# Altium PCB Motherboard_PCB_Trimmed.PcbDoc (part 4 of 5)
Units mm, origin at the board's own origin, x right, y up, seen from the top; angles counter-clockwise.
Board outline 167.96 x 167.95 mm, 6 copper layers (Top, VCC, VS, Internal, GND, Bottom), stack 1.797 mm thick; 578 components, 549 nets, 2587 pads, 1599 vias.
Unrouted connection lines stored in the file: 2.
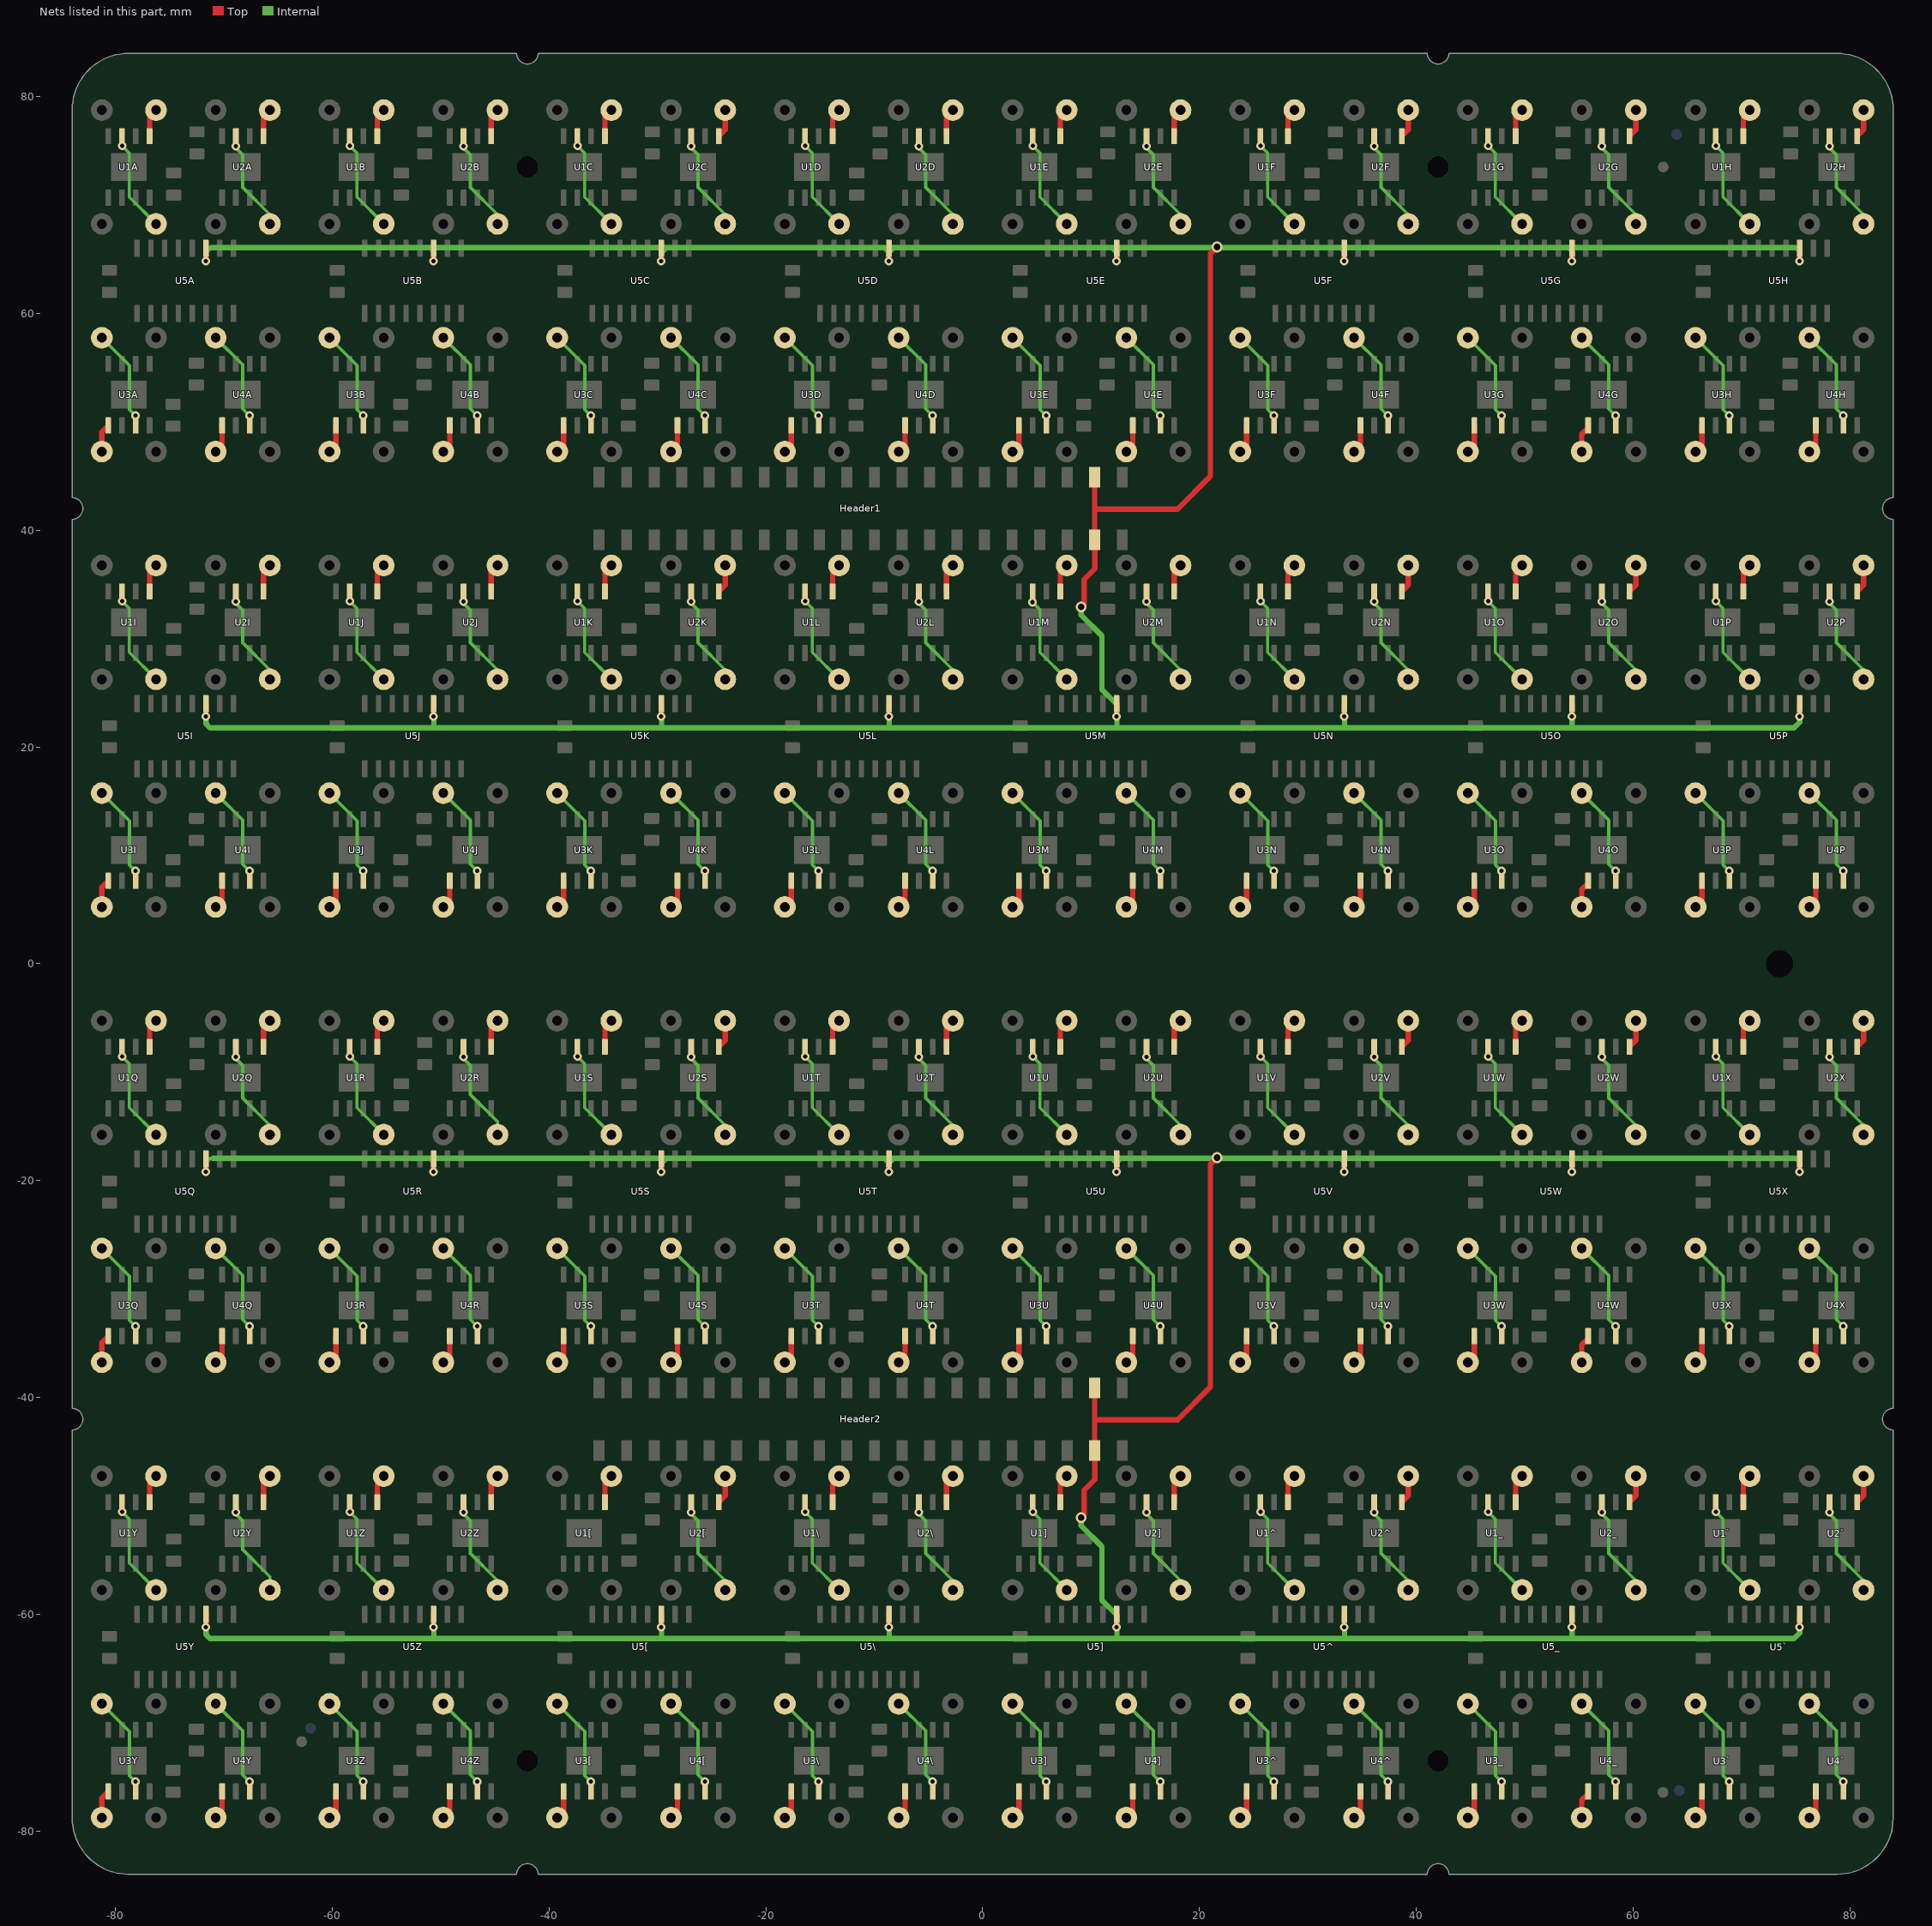
[diagram p8: the nets of this part, all layers, seen from the top]

## Via types
v1: diameter 0.8, hole 0.4, Top to Bottom, tented both sides, 1061 vias
v2: diameter 0.8, hole 0.4, Top to Bottom, 512 vias
v3: diameter 1.4, hole 0.8, Top to Bottom, tented both sides, 10 vias
v4: diameter 1.2, hole 0.8, Top to Bottom, tented both sides, 10 vias
v5: diameter 1, hole 0.6, Top to Bottom, tented both sides, 6 vias

## Nets (pads, with @x,y where several pads share a name; then routed paths per layer and width w, separated by ;. In a path a pad name is that pad's centre, name@x,y a point inside that pad or via, vN(x,y) a via of type N, cw(c..) or ccw(c..) an arc to the next point about the centre after c; other vN are vias at no path point) (continued)
OUTA_1\: 3\.+ U1\.7 | length 9.4
  Top w0.3: v1(-16.385,-50.546) U1\.7@-16.385,-49.655
  Internal w0.3: v1(-16.385,-50.546) -15.725,-51.206 -15.725,-55.275 3\.+@-13.25,-57.75
OUTA_1]: 3].+ U1].7 | length 9.4
  Top w0.3: v1(4.615,-50.546) U1].7@4.615,-49.655
  Internal w0.3: v1(4.615,-50.546) 5.275,-51.206 5.275,-55.275 3].+@7.75,-57.75
OUTA_1^: 3#.+ U1^.7 | length 9.4
  Top w0.3: v1(25.615,-50.546) U1^.7@25.615,-49.655
  Internal w0.3: v1(25.615,-50.546) 26.275,-51.206 26.275,-55.275 3#.+@28.75,-57.75
OUTA_1_: 3_.+ U1_.7 | length 9.4
  Top w0.3: v1@46.615,-50.546 U1_.7@46.615,-49.655
  Internal w0.3: v1(46.615,-50.546) 47.275,-51.206 47.275,-55.275 3_.+@49.75,-57.75
OUTA_1`: 3-.+ U1`.7 | length 9.4
  Top w0.3: v1(67.615,-50.546) U1`.7@67.615,-49.655
  Internal w0.3: v1(67.615,-50.546) 68.275,-51.206 68.275,-55.275 3-.+@70.75,-57.75
OUTA_1A: 3A.+ U1A.7 | length 9.4
  Top w0.3: v1@-79.385,75.454 U1A.7@-79.385,76.345
  Internal w0.3: v1(-79.385,75.454) -78.725,74.794 -78.725,70.725 3A.+@-76.25,68.25
OUTA_1B: 3B.+ U1B.7 | length 9.4
  Top w0.3: v1@-58.385,75.454 U1B.7@-58.385,76.345
  Internal w0.3: v1(-58.385,75.454) -57.725,74.794 -57.725,70.725 3B.+@-55.25,68.25
OUTA_1C: 3C.+ U1C.7 | length 9.4
  Top w0.3: v1@-37.385,75.454 U1C.7@-37.385,76.345
  Internal w0.3: v1(-37.385,75.454) -36.725,74.794 -36.725,70.725 3C.+@-34.25,68.25
OUTA_1D: 3D.+ U1D.7 | length 9.4
  Top w0.3: v1@-16.385,75.454 U1D.7@-16.385,76.345
  Internal w0.3: v1(-16.385,75.454) -15.725,74.794 -15.725,70.725 3D.+@-13.25,68.25
OUTA_1E: 3E.+ U1E.7 | length 9.4
  Top w0.3: v1@4.615,75.454 U1E.7@4.615,76.345
  Internal w0.3: v1(4.615,75.454) 5.275,74.794 5.275,70.725 3E.+@7.75,68.25
OUTA_1F: 3F.+ U1F.7 | length 9.4
  Top w0.3: v1@25.615,75.454 U1F.7@25.615,76.345
  Internal w0.3: v1(25.615,75.454) 26.275,74.794 26.275,70.725 3F.+@28.75,68.25
OUTA_1G: 3G.+ U1G.7 | length 9.4
  Top w0.3: v1@46.615,75.454 U1G.7@46.615,76.345
  Internal w0.3: v1(46.615,75.454) 47.275,74.794 47.275,70.725 3G.+@49.75,68.25
OUTA_1H: 3H.+ U1H.7 | length 9.4
  Top w0.3: v1@67.615,75.454 U1H.7@67.615,76.345
  Internal w0.3: v1(67.615,75.454) 68.275,74.794 68.275,70.725 3H.+@70.75,68.25
OUTA_1I: 3I.+ U1I.7 | length 9.4
  Top w0.3: v1(-79.385,33.454) U1I.7@-79.385,34.345
  Internal w0.3: v1(-79.385,33.454) -78.725,32.794 -78.725,28.725 3I.+@-76.25,26.25
OUTA_1J: 3J.+ U1J.7 | length 9.4
  Top w0.3: v1(-58.385,33.454) U1J.7@-58.385,34.345
  Internal w0.3: v1(-58.385,33.454) -57.725,32.794 -57.725,28.725 3J.+@-55.25,26.25
OUTA_1K: 3K.+ U1K.7 | length 9.4
  Top w0.3: v1(-37.385,33.454) U1K.7@-37.385,34.345
  Internal w0.3: v1(-37.385,33.454) -36.725,32.794 -36.725,28.725 3K.+@-34.25,26.25
OUTA_1L: 3L.+ U1L.7 | length 9.4
  Top w0.3: v1(-16.385,33.454) U1L.7@-16.385,34.345
  Internal w0.3: v1(-16.385,33.454) -15.725,32.794 -15.725,28.725 3L.+@-13.25,26.25
OUTA_1M: 3M.+ U1M.7 | length 9.5
  Top w0.3: v1@4.615,33.454 4.575,33.414 v1(4.575,33.358) 4.595,33.378 4.595,34.325 U1M.7@4.615,34.345
  Internal w0.3: v1(4.575,33.358) 5.275,32.658 5.275,28.725 3M.+@7.75,26.25
OUTA_1N: 3N.+ U1N.7 | length 9.4
  Top w0.3: v1(25.615,33.454) U1N.7@25.615,34.345
  Internal w0.3: v1(25.615,33.454) 26.275,32.794 26.275,28.725 3N.+@28.75,26.25
OUTA_1O: 3O.+ U1O.7 | length 9.4
  Top w0.3: v1@46.615,33.454 U1O.7@46.615,34.345
  Internal w0.3: v1(46.615,33.454) 47.275,32.794 47.275,28.725 3O.+@49.75,26.25
OUTA_1P: 3P.+ U1P.7 | length 9.4
  Top w0.3: v1(67.615,33.454) U1P.7@67.615,34.345
  Internal w0.3: v1(67.615,33.454) 68.275,32.794 68.275,28.725 3P.+@70.75,26.25
OUTA_1Q: 3Q.+ U1Q.7 | length 9.4
  Top w0.3: v1(-79.385,-8.546) U1Q.7@-79.385,-7.655
  Internal w0.3: v1(-79.385,-8.546) -78.725,-9.206 -78.725,-13.275 3Q.+@-76.25,-15.75
OUTA_1R: 3R.+ U1R.7 | length 9.4
  Top w0.3: v1(-58.385,-8.546) U1R.7@-58.385,-7.655
  Internal w0.3: v1(-58.385,-8.546) -57.725,-9.206 -57.725,-13.275 3R.+@-55.25,-15.75
OUTA_1S: 3S.+ U1S.7 | length 9.4
  Top w0.3: v1(-37.385,-8.546) U1S.7@-37.385,-7.655
  Internal w0.3: v1(-37.385,-8.546) -36.725,-9.206 -36.725,-13.275 3S.+@-34.25,-15.75
OUTA_1T: 3T.+ U1T.7 | length 9.4
  Top w0.3: v1(-16.385,-8.546) U1T.7@-16.385,-7.655
  Internal w0.3: v1(-16.385,-8.546) -15.725,-9.206 -15.725,-13.275 3T.+@-13.25,-15.75
OUTA_1U: 3U.+ U1U.7 | length 9.4
  Top w0.3: v1(4.615,-8.546) U1U.7@4.615,-7.655
  Internal w0.3: v1(4.615,-8.546) 5.275,-9.206 5.275,-13.275 3U.+@7.75,-15.75
OUTA_1V: 3V.+ U1V.7 | length 9.4
  Top w0.3: v1(25.615,-8.546) U1V.7@25.615,-7.655
  Internal w0.3: v1(25.615,-8.546) 26.275,-9.206 26.275,-13.275 3V.+@28.75,-15.75
OUTA_1W: 3W.+ U1W.7 | length 9.4
  Top w0.3: v1@46.615,-8.546 U1W.7@46.615,-7.655
  Internal w0.3: v1(46.615,-8.546) 47.275,-9.206 47.275,-13.275 3W.+@49.75,-15.75
OUTA_1X: 3X.+ U1X.7 | length 9.4
  Top w0.3: v1(67.615,-8.546) U1X.7@67.615,-7.655
  Internal w0.3: v1(67.615,-8.546) 68.275,-9.206 68.275,-13.275 3X.+@70.75,-15.75
OUTA_1Y: 3Y.+ U1Y.7 | length 9.4
  Top w0.3: v1(-79.385,-50.546) U1Y.7@-79.385,-49.655
  Internal w0.3: v1(-79.385,-50.546) -78.725,-51.206 -78.725,-55.275 3Y.+@-76.25,-57.75
OUTA_1Z: 3Z.+ U1Z.7 | length 9.4
  Top w0.3: v1(-58.385,-50.546) U1Z.7@-58.385,-49.655
  Internal w0.3: v1(-58.385,-50.546) -57.725,-51.206 -57.725,-55.275 3Z.+@-55.25,-57.75
OUTA_2[: 4[.+ U2[.7 | length 9.4
  Top w0.3: v1(-26.895,-50.597) -26.895,-49.665 U2[.7@-26.885,-49.655
  Internal w0.3: v1(-26.895,-50.597) -26.895,-50.749 -26.26,-51.384 -26.26,-54.381 -23.75,-56.891 4[.+@-23.75,-57.75
OUTA_2\: 4\.+ U2\.7 | length 9.4
  Top w0.3: v1(-5.895,-50.597) -5.895,-49.665 U2\.7@-5.885,-49.655
  Internal w0.3: v1(-5.895,-50.597) -5.895,-50.749 -5.26,-51.384 -5.26,-54.381 -2.75,-56.891 4\.+@-2.75,-57.75
OUTA_2]: 4].+ U2].7 | length 9.4
  Top w0.3: v1(15.105,-50.597) 15.105,-49.665 U2].7@15.115,-49.655
  Internal w0.3: v1(15.105,-50.597) 15.105,-50.749 15.74,-51.384 15.74,-54.381 18.25,-56.891 4].+@18.25,-57.75
OUTA_2^: 4#.+ U2^.7 | length 9.4
  Top w0.3: v1(36.105,-50.597) 36.105,-49.665 U2^.7@36.115,-49.655
  Internal w0.3: v1(36.105,-50.597) 36.105,-50.749 36.74,-51.384 36.74,-54.381 39.25,-56.891 4#.+@39.25,-57.75
OUTA_2_: 4_.+ U2_.7 | length 9.4
  Top w0.3: v1(57.105,-50.597) 57.105,-49.665 U2_.7@57.115,-49.655
  Internal w0.3: v1(57.105,-50.597) 57.105,-50.749 57.74,-51.384 57.74,-54.381 60.25,-56.891 4_.+@60.25,-57.75
OUTA_2`: 4-.+ U2`.7 | length 9.4
  Top w0.3: v1(78.105,-50.597) 78.105,-49.665 U2`.7@78.115,-49.655
  Internal w0.3: v1(78.105,-50.597) 78.105,-50.749 78.74,-51.384 78.74,-54.381 81.25,-56.891 4-.+@81.25,-57.75
OUTA_2A: 4A.+ U2A.7 | length 9.4
  Top w0.3: v1(-68.895,75.403) -68.895,76.335 U2A.7@-68.885,76.345
  Internal w0.3: v1(-68.895,75.403) -68.895,75.251 -68.26,74.616 -68.26,71.619 -65.75,69.109 4A.+@-65.75,68.25
OUTA_2B: 4B.+ U2B.7 | length 9.4
  Top w0.3: v1(-47.895,75.403) -47.895,76.335 U2B.7@-47.885,76.345
  Internal w0.3: v1(-47.895,75.403) -47.895,75.251 -47.26,74.616 -47.26,71.619 -44.75,69.109 4B.+@-44.75,68.25
OUTA_2C: 4C.+ U2C.7 | length 9.4
  Top w0.3: v1(-26.895,75.403) -26.895,76.335 U2C.7@-26.885,76.345
  Internal w0.3: v1(-26.895,75.403) -26.895,75.251 -26.26,74.616 -26.26,71.619 -23.75,69.109 4C.+@-23.75,68.25
OUTA_2D: 4D.+ U2D.7 | length 9.4
  Top w0.3: v1(-5.895,75.403) -5.895,76.335 U2D.7@-5.885,76.345
  Internal w0.3: v1(-5.895,75.403) -5.895,75.251 -5.26,74.616 -5.26,71.619 -2.75,69.109 4D.+@-2.75,68.25
OUTA_2E: 4E.+ U2E.7 | length 9.4
  Top w0.3: v1(15.105,75.403) 15.105,76.335 U2E.7@15.115,76.345
  Internal w0.3: v1(15.105,75.403) 15.105,75.251 15.74,74.616 15.74,71.619 18.25,69.109 4E.+@18.25,68.25
OUTA_2F: 4F.+ U2F.7 | length 9.4
  Top w0.3: v1(36.105,75.403) 36.105,76.335 U2F.7@36.115,76.345
  Internal w0.3: v1(36.105,75.403) 36.105,75.251 36.74,74.616 36.74,71.619 39.25,69.109 4F.+@39.25,68.25
OUTA_2G: 4G.+ U2G.7 | length 9.4
  Top w0.3: v1(57.105,75.403) 57.105,76.335 U2G.7@57.115,76.345
  Internal w0.3: v1(57.105,75.403) 57.105,75.251 57.74,74.616 57.74,71.619 60.25,69.109 4G.+@60.25,68.25
OUTA_2H: 4H.+ U2H.7 | length 9.4
  Top w0.3: v1(78.105,75.403) 78.105,76.335 U2H.7@78.115,76.345
  Internal w0.3: v1(78.105,75.403) 78.105,75.251 78.74,74.616 78.74,71.619 81.25,69.109 4H.+@81.25,68.25
OUTA_2I: 4I.+ U2I.7 | length 9.4
  Top w0.3: v1(-68.895,33.403) -68.895,34.335 U2I.7@-68.885,34.345
  Internal w0.3: v1(-68.895,33.403) -68.895,33.251 -68.26,32.616 -68.26,29.619 -65.75,27.109 4I.+@-65.75,26.25
OUTA_2J: 4J.+ U2J.7 | length 9.4
  Top w0.3: v1(-47.895,33.403) -47.895,34.335 U2J.7@-47.885,34.345
  Internal w0.3: v1(-47.895,33.403) -47.895,33.251 -47.26,32.616 -47.26,29.619 -44.75,27.109 4J.+@-44.75,26.25
OUTA_2K: 4K.+ U2K.7 | length 9.4
  Top w0.3: v1(-26.895,33.403) -26.895,34.335 U2K.7@-26.885,34.345
  Internal w0.3: v1(-26.895,33.403) -26.895,33.251 -26.26,32.616 -26.26,29.619 -23.75,27.109 4K.+@-23.75,26.25
OUTA_2L: 4L.+ U2L.7 | length 9.4
  Top w0.3: v1(-5.895,33.403) -5.895,34.335 U2L.7@-5.885,34.345
  Internal w0.3: v1(-5.895,33.403) -5.895,33.251 -5.26,32.616 -5.26,29.619 -2.75,27.109 4L.+@-2.75,26.25
OUTA_2M: 4M.+ U2M.7 | length 9.4
  Top w0.3: v1(15.105,33.403) 15.105,34.335 U2M.7@15.115,34.345
  Internal w0.3: v1(15.105,33.403) 15.105,33.251 15.74,32.616 15.74,29.619 18.25,27.109 4M.+@18.25,26.25
OUTA_2N: 4N.+ U2N.7 | length 9.4
  Top w0.3: v1(36.105,33.403) 36.105,34.335 U2N.7@36.115,34.345
  Internal w0.3: v1(36.105,33.403) 36.105,33.251 36.74,32.616 36.74,29.619 39.25,27.109 4N.+@39.25,26.25
OUTA_2O: 4O.+ U2O.7 | length 9.4
  Top w0.3: v1(57.105,33.403) 57.105,34.335 U2O.7@57.115,34.345
  Internal w0.3: v1(57.105,33.403) 57.105,33.251 57.74,32.616 57.74,29.619 60.25,27.109 4O.+@60.25,26.25
OUTA_2P: 4P.+ U2P.7 | length 9.4
  Top w0.3: v1(78.105,33.403) 78.105,34.335 U2P.7@78.115,34.345
  Internal w0.3: v1(78.105,33.403) 78.105,33.251 78.74,32.616 78.74,29.619 81.25,27.109 4P.+@81.25,26.25
OUTA_2Q: 4Q.+ U2Q.7 | length 9.4
  Top w0.3: v1(-68.895,-8.597) -68.895,-7.665 U2Q.7@-68.885,-7.655
  Internal w0.3: v1(-68.895,-8.597) -68.895,-8.749 -68.26,-9.384 -68.26,-12.381 -65.75,-14.891 4Q.+@-65.75,-15.75
OUTA_2R: 4R.+ U2R.7 | length 9.4
  Top w0.3: v1(-47.895,-8.597) -47.895,-7.665 U2R.7@-47.885,-7.655
  Internal w0.3: v1(-47.895,-8.597) -47.895,-8.749 -47.26,-9.384 -47.26,-12.057 -44.75,-14.567 4R.+@-44.75,-15.75
OUTA_2S: 4S.+ U2S.7 | length 9.4
  Top w0.3: v1(-26.895,-8.597) -26.895,-7.665 U2S.7@-26.885,-7.655
  Internal w0.3: v1(-26.895,-8.597) -26.895,-8.749 -26.26,-9.384 -26.26,-12.381 -23.75,-14.891 4S.+@-23.75,-15.75
OUTA_2T: 4T.+ U2T.7 | length 9.4
  Top w0.3: v1(-5.895,-8.597) -5.895,-7.665 U2T.7@-5.885,-7.655
  Internal w0.3: v1(-5.895,-8.597) -5.895,-8.749 -5.26,-9.384 -5.26,-12.381 -2.75,-14.891 4T.+@-2.75,-15.75
OUTA_2U: 4U.+ U2U.7 | length 9.4
  Top w0.3: v1(15.105,-8.597) 15.105,-7.665 U2U.7@15.115,-7.655
  Internal w0.3: v1(15.105,-8.597) 15.105,-8.749 15.74,-9.384 15.74,-12.381 18.25,-14.891 4U.+@18.25,-15.75
OUTA_2V: 4V.+ U2V.7 | length 9.4
  Top w0.3: v1(36.105,-8.597) 36.105,-7.665 U2V.7@36.115,-7.655
  Internal w0.3: v1(36.105,-8.597) 36.105,-8.749 36.74,-9.384 36.74,-12.381 39.25,-14.891 4V.+@39.25,-15.75
OUTA_2W: 4W.+ U2W.7 | length 9.4
  Top w0.3: v1(57.105,-8.597) 57.105,-7.665 U2W.7@57.115,-7.655
  Internal w0.3: v1(57.105,-8.597) 57.105,-8.749 57.74,-9.384 57.74,-12.381 60.25,-14.891 4W.+@60.25,-15.75
OUTA_2X: 4X.+ U2X.7 | length 9.4
  Top w0.3: v1(78.105,-8.597) 78.105,-7.665 U2X.7@78.115,-7.655
  Internal w0.3: v1(78.105,-8.597) 78.105,-8.749 78.74,-9.384 78.74,-12.381 81.25,-14.891 4X.+@81.25,-15.75
OUTA_2Y: 4Y.+ U2Y.7 | length 9.4
  Top w0.3: v1(-68.895,-50.597) -68.895,-49.665 U2Y.7@-68.885,-49.655
  Internal w0.3: v1(-68.895,-50.597) -68.895,-50.749 -68.26,-51.384 -68.26,-54.023 -65.75,-56.533 4Y.+@-65.75,-57.75
OUTA_2Z: 4Z.+ U2Z.7 | length 9.4
  Top w0.3: v1(-47.895,-50.597) -47.895,-49.665 U2Z.7@-47.885,-49.655
  Internal w0.3: v1(-47.895,-50.597) -47.895,-50.749 -47.26,-51.384 -47.26,-54.381 -44.75,-56.891 4Z.+@-44.75,-57.75
OUTA_3[: 5[.+ U3[.7 | length 9.4
  Top w0.3: v1(-36.141,-75.438) -36.115,-75.464 U3[.7@-36.115,-76.345
  Internal w0.3: 5[.+@-39.25,-68.25 -36.692,-70.808 -36.692,-74.887 v1(-36.141,-75.438)
OUTA_3\: 5\.+ U3\.7 | length 9.4
  Top w0.3: v1(-15.141,-75.438) -15.115,-75.464 U3\.7@-15.115,-76.345
  Internal w0.3: 5\.+@-18.25,-68.25 -15.692,-70.808 -15.692,-74.887 v1(-15.141,-75.438)
OUTA_3]: 5].+ U3].7 | length 9.4
  Top w0.3: v1(5.859,-75.438) 5.885,-75.464 U3].7@5.885,-76.345
  Internal w0.3: 5].+@2.75,-68.25 5.308,-70.808 5.308,-74.887 v1(5.859,-75.438)
OUTA_3^: 5#.+ U3^.7 | length 9.4
  Top w0.3: v1(26.859,-75.438) 26.885,-75.464 U3^.7@26.885,-76.345
  Internal w0.3: 5#.+@23.75,-68.25 26.308,-70.808 26.308,-74.887 v1(26.859,-75.438)
OUTA_3_: 5_.+ U3_.7 | length 9.4
  Top w0.3: v1(47.859,-75.438) 47.885,-75.464 U3_.7@47.885,-76.345
  Internal w0.3: 5_.+@44.75,-68.25 47.308,-70.808 47.308,-74.887 v1(47.859,-75.438)
OUTA_3`: 5-.+ U3`.7 | length 9.4
  Top w0.3: v1(68.859,-75.438) 68.885,-75.464 U3`.7@68.885,-76.345
  Internal w0.3: 5-.+@65.75,-68.25 68.308,-70.808 68.308,-74.887 v1(68.859,-75.438)
OUTA_3A: 5A.+ U3A.7 | length 9.4
  Top w0.3: v1(-78.141,50.562) -78.115,50.536 U3A.7@-78.115,49.655
  Internal w0.3: 5A.+@-81.25,57.75 -78.692,55.192 -78.692,51.113 v1(-78.141,50.562)
OUTA_3B: 5B.+ U3B.7 | length 9.4
  Top w0.3: v1(-57.141,50.562) -57.115,50.536 U3B.7@-57.115,49.655
  Internal w0.3: 5B.+@-60.25,57.75 -57.692,55.192 -57.692,51.113 v1(-57.141,50.562)
OUTA_3C: 5C.+ U3C.7 | length 9.4
  Top w0.3: v1(-36.141,50.562) -36.115,50.536 U3C.7@-36.115,49.655
  Internal w0.3: 5C.+@-39.25,57.75 -36.692,55.192 -36.692,51.113 v1(-36.141,50.562)
OUTA_3D: 5D.+ U3D.7 | length 9.4
  Top w0.3: v1(-15.141,50.562) -15.115,50.536 U3D.7@-15.115,49.655
  Internal w0.3: 5D.+@-18.25,57.75 -15.692,55.192 -15.692,51.113 v1(-15.141,50.562)
OUTA_3E: 5E.+ U3E.7 | length 9.4
  Top w0.3: v1(5.859,50.562) 5.885,50.536 U3E.7@5.885,49.655
  Internal w0.3: 5E.+@2.75,57.75 5.308,55.192 5.308,51.113 v1(5.859,50.562)
OUTA_3F: 5F.+ U3F.7 | length 9.4
  Top w0.3: v1(26.859,50.562) 26.885,50.536 U3F.7@26.885,49.655
  Internal w0.3: 5F.+@23.75,57.75 26.308,55.192 26.308,51.113 v1(26.859,50.562)
OUTA_3G: 5G.+ U3G.7 | length 9.4
  Top w0.3: v1(47.859,50.562) 47.885,50.536 U3G.7@47.885,49.655
  Internal w0.3: 5G.+@44.75,57.75 47.308,55.192 47.308,51.113 v1(47.859,50.562)
OUTA_3H: 5H.+ U3H.7 | length 9.4
  Top w0.3: v1(68.859,50.562) 68.885,50.536 U3H.7@68.885,49.655
  Internal w0.3: 5H.+@65.75,57.75 68.308,55.192 68.308,51.113 v1(68.859,50.562)
OUTA_3I: 5I.+ U3I.7 | length 9.4
  Top w0.3: v1(-78.141,8.562) -78.115,8.536 U3I.7@-78.115,7.655
  Internal w0.3: 5I.+@-81.25,15.75 -78.692,13.192 -78.692,9.113 v1(-78.141,8.562)
OUTA_3J: 5J.+ U3J.7 | length 9.4
  Top w0.3: v1(-57.141,8.562) -57.115,8.536 U3J.7@-57.115,7.655
  Internal w0.3: 5J.+@-60.25,15.75 -57.692,13.192 -57.692,9.113 v1(-57.141,8.562)
OUTA_3K: 5K.+ U3K.7 | length 9.4
  Top w0.3: v1(-36.141,8.562) -36.115,8.536 U3K.7@-36.115,7.655
  Internal w0.3: 5K.+@-39.25,15.75 -36.692,13.192 -36.692,9.113 v1(-36.141,8.562)
OUTA_3L: 5L.+ U3L.7 | length 9.4
  Top w0.3: v1(-15.141,8.562) -15.115,8.536 U3L.7@-15.115,7.655
  Internal w0.3: 5L.+@-18.25,15.75 -15.692,13.192 -15.692,9.113 v1(-15.141,8.562)
OUTA_3M: 5M.+ U3M.7 | length 9.4
  Top w0.3: v1(5.859,8.562) 5.885,8.536 U3M.7@5.885,7.655
  Internal w0.3: 5M.+@2.75,15.75 5.308,13.192 5.308,9.113 v1(5.859,8.562)
OUTA_3N: 5N.+ U3N.7 | length 9.4
  Top w0.3: v1(26.859,8.562) 26.885,8.536 U3N.7@26.885,7.655
  Internal w0.3: 5N.+@23.75,15.75 26.308,13.192 26.308,9.113 v1(26.859,8.562)
OUTA_3O: 5O.+ U3O.7 | length 9.4
  Top w0.3: v1(47.859,8.562) 47.885,8.536 U3O.7@47.885,7.655
  Internal w0.3: 5O.+@44.75,15.75 47.308,13.192 47.308,9.113 v1(47.859,8.562)
OUTA_3P: 5P.+ U3P.7 | length 9.4
  Top w0.3: v1(68.859,8.562) 68.885,8.536 U3P.7@68.885,7.655
  Internal w0.3: 5P.+@65.75,15.75 68.308,13.192 68.308,9.113 v1(68.859,8.562)
OUTA_3Q: 5Q.+ U3Q.7 | length 9.4
  Top w0.3: v1(-78.141,-33.438) -78.115,-33.464 U3Q.7@-78.115,-34.345
  Internal w0.3: 5Q.+@-81.25,-26.25 -78.692,-28.808 -78.692,-32.887 v1(-78.141,-33.438)
OUTA_3R: 5R.+ U3R.7 | length 9.4
  Top w0.3: v1(-57.141,-33.438) -57.115,-33.464 U3R.7@-57.115,-34.345
  Internal w0.3: 5R.+@-60.25,-26.25 -57.692,-28.808 -57.692,-32.887 v1(-57.141,-33.438)
OUTA_3S: 5S.+ U3S.7 | length 9.4
  Top w0.3: v1(-36.141,-33.438) -36.115,-33.464 U3S.7@-36.115,-34.345
  Internal w0.3: 5S.+@-39.25,-26.25 -36.692,-28.808 -36.692,-32.887 v1(-36.141,-33.438)
OUTA_3T: 5T.+ U3T.7 | length 9.4
  Top w0.3: v1(-15.141,-33.438) -15.115,-33.464 U3T.7@-15.115,-34.345
  Internal w0.3: 5T.+@-18.25,-26.25 -15.692,-28.808 -15.692,-32.887 v1(-15.141,-33.438)
OUTA_3U: 5U.+ U3U.7 | length 9.4
  Top w0.3: v1(5.859,-33.438) 5.885,-33.464 U3U.7@5.885,-34.345
  Internal w0.3: 5U.+@2.75,-26.25 5.308,-28.808 5.308,-32.887 v1(5.859,-33.438)
OUTA_3V: 5V.+ U3V.7 | length 9.4
  Top w0.3: v1(26.859,-33.438) 26.885,-33.464 U3V.7@26.885,-34.345
  Internal w0.3: 5V.+@23.75,-26.25 26.308,-28.808 26.308,-32.887 v1(26.859,-33.438)
OUTA_3W: 5W.+ U3W.7 | length 9.4
  Top w0.3: v1(47.859,-33.438) 47.885,-33.464 U3W.7@47.885,-34.345
  Internal w0.3: 5W.+@44.75,-26.25 47.308,-28.808 47.308,-32.887 v1(47.859,-33.438)

## Text inside footprints (layer, text, board x,y; h text height)
8[: Top Overlay "+" at -31.025,-79.487 h1.5; Bottom Overlay "+" at -31.025,-79.487 h1.5
8\: Top Overlay "+" at -10.025,-79.487 h1.5; Bottom Overlay "+" at -10.025,-79.487 h1.5
8]: Top Overlay "+" at 10.975,-79.487 h1.5; Bottom Overlay "+" at 10.975,-79.487 h1.5
8_: Top Overlay "+" at 52.975,-79.487 h1.5; Bottom Overlay "+" at 52.975,-79.487 h1.5
8A: Top Overlay "+" at -73.025,46.513 h1.5; Bottom Overlay "+" at -73.025,46.513 h1.5
8B: Top Overlay "+" at -52.025,46.513 h1.5; Bottom Overlay "+" at -52.025,46.513 h1.5
8C: Top Overlay "+" at -31.025,46.513 h1.5; Bottom Overlay "+" at -31.025,46.513 h1.5
8D: Top Overlay "+" at -10.025,46.513 h1.5; Bottom Overlay "+" at -10.025,46.513 h1.5
8E: Top Overlay "+" at 10.975,46.513 h1.5; Bottom Overlay "+" at 10.975,46.513 h1.5
8F: Top Overlay "+" at 31.975,46.513 h1.5; Bottom Overlay "+" at 31.975,46.513 h1.5
8G: Top Overlay "+" at 52.975,46.513 h1.5; Bottom Overlay "+" at 52.975,46.513 h1.5
8H: Top Overlay "+" at 73.975,46.513 h1.5; Bottom Overlay "+" at 73.975,46.513 h1.5
8I: Top Overlay "+" at -73.025,4.513 h1.5; Bottom Overlay "+" at -73.025,4.513 h1.5
8J: Top Overlay "+" at -52.025,4.513 h1.5; Bottom Overlay "+" at -52.025,4.513 h1.5
8K: Top Overlay "+" at -31.025,4.513 h1.5; Bottom Overlay "+" at -31.025,4.513 h1.5
8L: Top Overlay "+" at -10.025,4.513 h1.5; Bottom Overlay "+" at -10.025,4.513 h1.5
8M: Top Overlay "+" at 10.975,4.513 h1.5; Bottom Overlay "+" at 10.975,4.513 h1.5
8N: Top Overlay "+" at 31.975,4.513 h1.5; Bottom Overlay "+" at 31.975,4.513 h1.5
8O: Top Overlay "+" at 52.975,4.513 h1.5; Bottom Overlay "+" at 52.975,4.513 h1.5
8P: Top Overlay "+" at 73.975,4.513 h1.5; Bottom Overlay "+" at 73.975,4.513 h1.5
8Q: Top Overlay "+" at -73.025,-37.487 h1.5; Bottom Overlay "+" at -73.025,-37.487 h1.5
8R: Top Overlay "+" at -52.025,-37.487 h1.5; Bottom Overlay "+" at -52.025,-37.487 h1.5
8S: Top Overlay "+" at -31.025,-37.487 h1.5; Bottom Overlay "+" at -31.025,-37.487 h1.5
8T: Top Overlay "+" at -10.025,-37.487 h1.5; Bottom Overlay "+" at -10.025,-37.487 h1.5
8U: Top Overlay "+" at 10.975,-37.487 h1.5; Bottom Overlay "+" at 10.975,-37.487 h1.5
8V: Top Overlay "+" at 31.975,-37.487 h1.5; Bottom Overlay "+" at 31.975,-37.487 h1.5
8W: Top Overlay "+" at 52.975,-37.487 h1.5; Bottom Overlay "+" at 52.975,-37.487 h1.5
8X: Top Overlay "+" at 73.975,-37.487 h1.5; Bottom Overlay "+" at 73.975,-37.487 h1.5
8Y: Top Overlay "+" at -73.025,-79.487 h1.5; Bottom Overlay "+" at -73.025,-79.487 h1.5
8Z: Top Overlay "+" at -52.025,-79.487 h1.5; Bottom Overlay "+" at -52.025,-79.487 h1.5